# KiCad board vcu.kicad_pcb (continued)
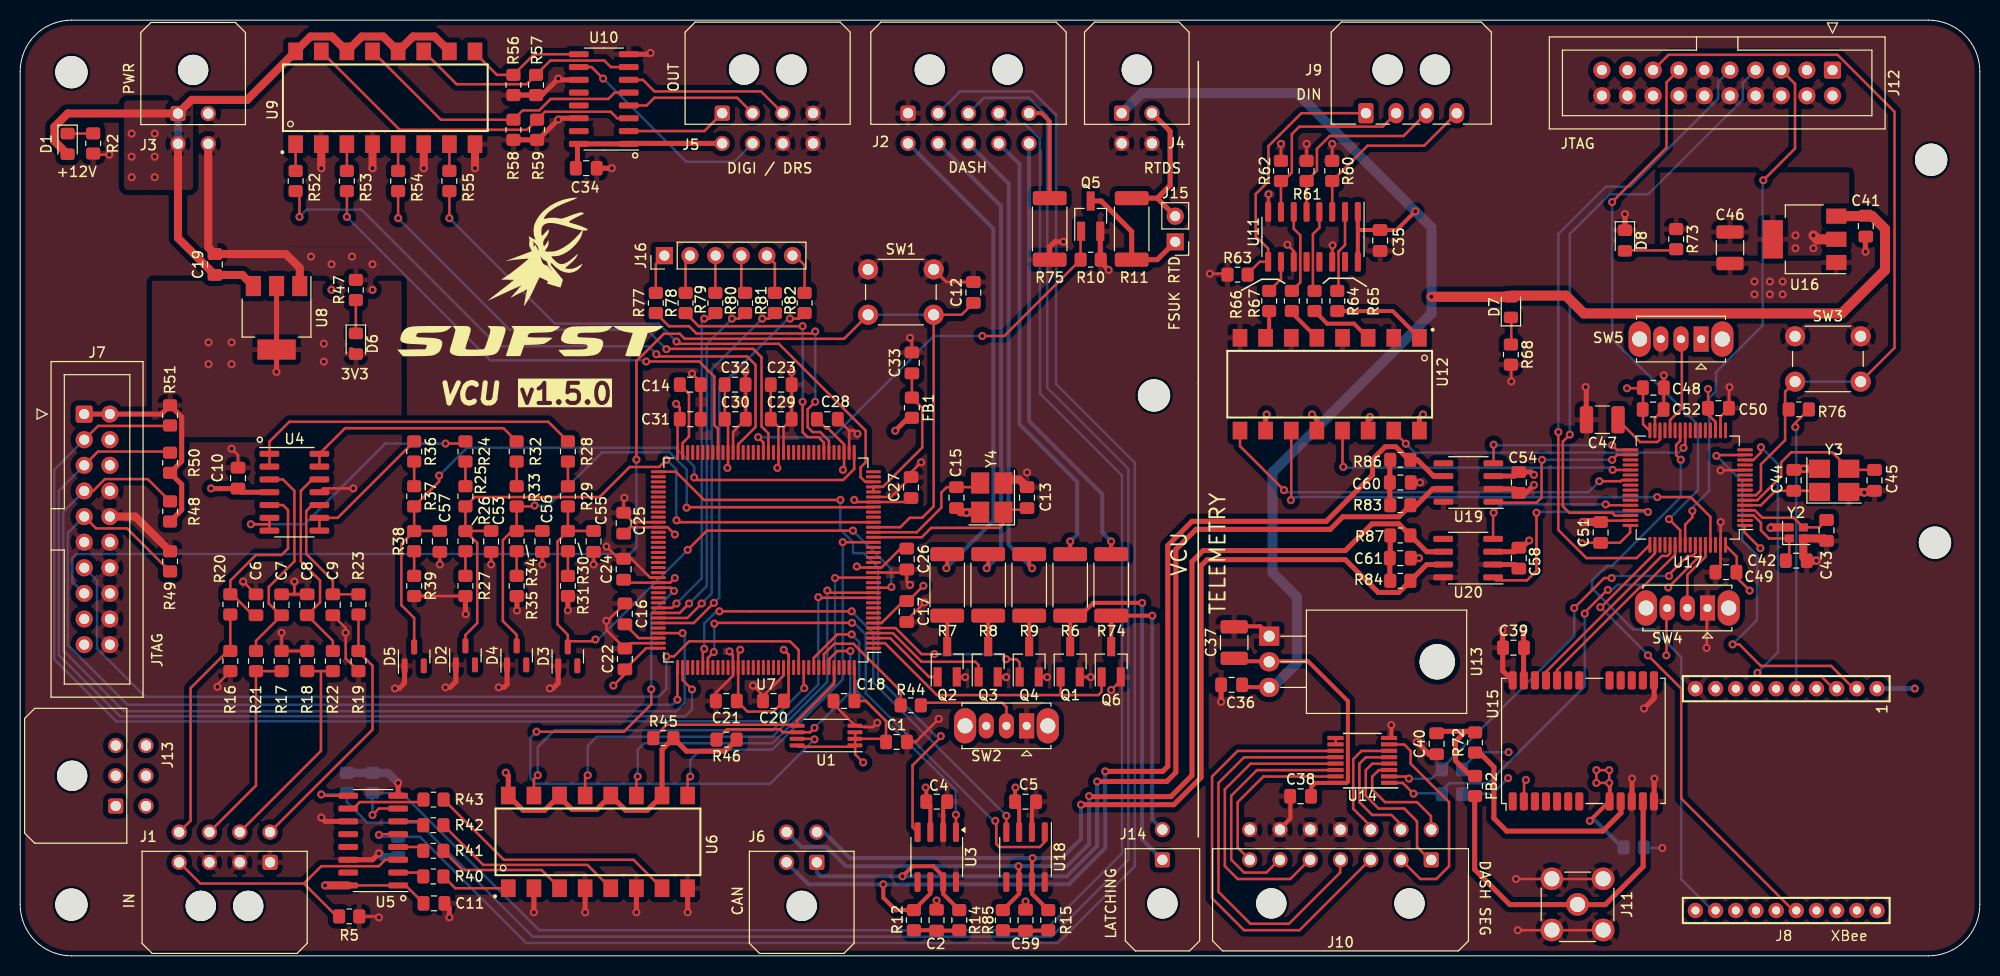
[diagram p0: board, top side]
## Routing (per net, layer and track width the routed paths; a pad name or vN(x,y) marks a point on that pad's centre or on a via; arc(x,y) is an arc through that point) (continued)
/IMD_LED: length 44.1
  Top w0.4: R74.1 v1(108.15,41.1)
  Bottom w0.4: v1(108.15,41.1) 107.26,41.99 107.26,45.8 100.01,53.05 J2.10
/Input Shift/APPS_1_OUT: length 67.4
  Top w0.25: R38.1 R37.2 41.53,47.04 v1(41.53,47.62) ; R38.1 37.79,40.85 37.79,34.77 39.06,33.5 39.06,31.19 ; R38.1 39.07,42.13 C57.2 ; v1(66.81,47.44) 67.06,47.19 81.58,47.19 82.67,48.28 U7.37
  Bottom w0.25: v1(66.81,47.44) 66.81,48.52 64.95,50.38 44.28,50.38 v1(41.53,47.62)
/Input Shift/APPS_2_OUT: length 59
  Top w0.25: 49.22,44.67 49.22,42.23 ; 48.85,42.23 47.85,41.23 47.85,33.2 49.22,31.83 49.22,31.3 ; C56.2 49.23,42.13 R34.1 ; R33.2 50.91,44.57 v1(51,44.65) ; v1(66.06,44.44) 66.11,44.49 84.56,44.49 U7.29
  Bottom w0.25: v1(66.06,44.44) 66.06,48.24 64.37,49.93 57.68,49.93 52.4,44.65 v1(51,44.65)
/Input Shift/BPS_OUT: length 64.4
  Top w0.25: R26.1 44.15,42.13 C53.2 ; v1(64.06,49.19) 63.35,48.48 60.42,48.48 57.43,45.49 45.06,45.49 R25.2 ; U7.26 65.24,43 v1(65.06,43.19) ; 44.14,44.32 44.14,42.12 45.31,40.95 45.31,32.99 44.14,31.82 44.14,31.3
  Bottom w0.25: v1(64.06,49.19) 65.06,48.19 v1(65.06,43.19)
/Input Shift/DOUT_1: length 49.5
  Top w0.25: v1(79.12,35.56) 79.18,35.5 U7.11 ; v1(51.31,17.91) 50.92,17.52 U6.15
  Bottom w0.25: v1(79.12,35.56) 79.12,26.91 74.56,22.35 52.96,22.35 51.31,20.7 v1(51.31,17.91)
/Input Shift/DOUT_2: length 45.1
  Top w0.25: U6.13 56,17.65 v1(56.26,17.91) ; v1(80.01,36.23) 80.23,36 U7.12
  Bottom w0.25: v1(56.26,17.91) 56.26,20.83 57.15,21.72 74.56,21.72 80.01,27.17 v1(80.01,36.23)
/Input Shift/DOUT_3: length 41
  Top w0.25: v1(80.77,37.47) 80.81,37.5 U7.15 ; v1(61.21,17.78) 61.08,17.65 U6.11
  Bottom w0.25: v1(80.77,37.47) 80.77,27.29 74.56,21.08 61.85,21.08 61.21,20.45 v1(61.21,17.78)
/Input Shift/DOUT_4: length 38.7
  Top w0.25: U7.22 84.56,41.02 v1(81.53,41.02) ; v1(66.42,17.78) 66.16,17.52 U6.9
  Bottom w0.25: v1(66.42,17.78) 66.42,19.43 67.44,20.45 74.56,20.45 81.53,27.42 v1(81.53,41.02)
/Input Shift/SAGL_OUT: length 58.6
  Top w0.25: v1(57.02,31.37) 56.85,31.19 54.28,31.19 54.28,31.85 53.27,32.86 53.27,41.1 R30.1 ; v1(66.17,40.26) 68.07,42.16 v1(82.55,42.16) ; v1(86.36,36.58) 86.29,36.5 U7.13 ; R30.1 54.31,42.13 C55.2 ; R30.1 R29.2
  Bottom w0.25: v1(86.36,36.58) 86.36,38.35 v1(82.55,42.16) ; v1(66.17,40.26) 57.28,31.37 v1(57.02,31.37)
/LVS_LED: length 10
  Top w0.4: J2.5 101.24,83.56 102.05,82.75 R75.1
/Output Level Shifting/DIN_1: length 64
  Top w0.25: v1(63.06,59.66) 63.28,59.44 72.06,59.44 72.9,58.6 72.9,52.45 71.17,50.72 U7.60 ; v1(27.69,73.28) 27.69,75.45 R52.1
  Bottom w0.25: v1(63.06,59.66) 62.27,60.45 47.37,60.45 33.82,74 28.41,74 v1(27.69,73.28)
/Output Level Shifting/DIN_2: length 53.2
  Top w0.25: U7.64 69.17,52.26 68.81,52.62 68.81,57.44 67.31,58.94 v1(62.06,58.94) ; v1(32.38,73.28) R53.1
  Bottom w0.25: v1(62.06,58.94) 61.94,59.05 46.61,59.05 v1(32.38,73.28)
/Output Level Shifting/DIN_3: length 54.2
  Top w0.25: R54.1 v1(37.47,73.15) ; U7.54 74.17,49.92 74.17,51.82 73.82,52.16 73.82,52.16 73.49,52.49 73.49,59.36 72.65,60.19 64.08,60.19 v1(64.06,60.16)
  Bottom w0.25: v1(37.47,73.15) 48.51,62.1 62.12,62.1 v1(64.06,60.16)
/Output Level Shifting/DIN_4: length 59
  Top w0.25: R55.1 v1(42.55,73.15) ; U7.34 83.78,47 83.31,47.47 83.31,48.44 83.81,48.94 83.81,52.08 75.2,60.69 65.28,60.69 v1(65.06,60.91)
  Bottom w0.25: v1(42.55,73.15) 53.01,62.69 63.28,62.69 v1(65.06,60.91)
/R2D_BTN: length 175.7
  Top w0.25: v1(35.56,12) 35.63,12.06 U5.5
  Bottom w0.25: J2.2 93.17,85.72 100.35,85.72 102.69,83.39 102.69,56.7 110.49,48.89 110.49,8.89 102.87,1.27 50.16,1.27 39.64,11.79 R1.1 35.76,11.79 v1(35.56,12)
/R2D_LED: length 46.2
  Top w0.4: R9.1 100.02,38.73 v1(100.31,38.44)
  Bottom w0.4: J2.8 97.99,76.58 97.99,40.76 v1(100.31,38.44)
/R2D_LED_ON: length 17.3
  Top w0.25: U7.5 86.77,32.5 89.35,29.92 v1(90.62,29.92) ; v1(97.73,29.41) 98.75,29.41 99.07,29.09 Q4.1
  Bottom w0.25: v1(97.73,29.41) 97.23,29.92 v1(90.62,29.92)
/R2D_SIREN_ON: length 43.8
  Top w0.25: U7.55 73.67,50.92 v1(73.15,51.44) ; Q5.1 105.12,71.81 R10.2 97.55,61.47 v1(95.38,61.47)
  Bottom w0.25: v1(95.38,61.47) 90.55,61.47 80.52,51.44 v1(73.15,51.44)
/RTDS-: length 14.8
  Top w0.5: 112.71,75.14 R11.2 ; 112.71,75.14 J15.2 ; 112.71,75.14 113.99,76.41 113.99,81.76 J4.2
/SAGL_IN: length 20.4
  Top w0.25: R17.1 R21.1 23.37,16.88 J1.7
/SHDN_STATE: length 28
  Top w0.25: J1.4 17.87,7.17 28.12,7.17 ; 28.12,7.17 29.84,8.89 35.56,8.89 36.19,9.53 37.33,9.53 ; 28.12,7.17 31.38,3.91
/STATUS: length 10
  Top w0.25: J5.1 67.82,81.79 U10.2
/STM32-F746ZG/BOOT0: length 12.7
  Top w0.25: U7.138 79.67,29.91 80.71,30.95 82.6,30.95 87.28,26.27 R44.2
/STM32-F746ZG/CAN1_RX: length 47.8
  Top w0.25: v1(67.81,30.44) 67.67,30.3 U7.114 ; v1(97.76,13.89) 97.76,12.27 U18.4 ; v1(69.31,34.16) v1(82.42,34.16)
  Bottom w0.25: v1(97.76,13.89) 90.88,20.76 84.58,27.07 84.58,32 v1(82.42,34.16) ; v1(67.81,30.44) 67.81,32.96 69.01,34.16 v1(69.31,34.16)
/STM32-F746ZG/CAN1_TX: length 52.5
  Top w0.25: v1(68.81,32.94) 68.89,33.02 v1(82.46,33.02) ; U7.115 68.17,29.54 v1(68.76,30.12) ; v1(96.66,13.39) 96.76,13.29 96.76,11.09 97.06,10.79 101.06,10.79 101.56,11.29 U18.1
  Bottom w0.25: v1(96.66,13.39) 96.47,13.39 83.82,26.03 83.82,31.88 82.68,33.02 v1(82.46,33.02) ; v1(68.81,32.94) 68.81,30.17 v1(68.76,30.12)
/STM32-F746ZG/CAN2_RX: length 58.6
  Top w0.25: U7.73 64.99,48 67.79,45.21 v1(81.31,45.21) ; U3.4 88.46,12.76 88.46,18.89 91.26,21.69 v1(91.26,21.79)
  Bottom w0.25: v1(81.31,45.21) 81.31,42.27 82.56,41.02 82.56,39.94 83.64,39.94 85.03,38.55 85.03,27.52 90.76,21.79 v1(91.26,21.79)
/STM32-F746ZG/CAN2_TX: length 29.8
  Top w0.25: v1(82.42,31.88) 81,31.88 78.67,29.55 U7.136 ; v1(92.76,13.99) 92.76,12.27 U3.1
  Bottom w0.25: v1(82.42,31.88) 83.19,31.11 83.19,27.43 82.93,27.18 82.93,26.17 82.98,26.17 92.76,16.39 v1(92.76,13.99)
/STM32-F746ZG/NRST: length 140.9
  Top w0.25: U7.25 87.25,42.5 88.18,43.44 89.41,43.44 90.55,44.58 SW1.2 93.31,63.57 C12.1 ; SW1.2 81.67,61.19 65.87,61.19 65.37,61.69 63.81,61.69 61.78,59.66 61.76,59.66 61.09,58.99 v1(61.09,49.2)
  Bottom w0.25: J7.15 5.17,37.12 5.17,39.47 5.56,39.85 60.42,39.85 61.09,40.51 v1(61.09,49.2) ; SW1.2 SW1.2
/STM32-F746ZG/PWR_LED_K: length 3.3
  Top w0.25: R47.1 D6.1
/STM32-F746ZG/SW_BOOT0: length 10.6
  Top w0.25: SW2.2 97.77,24.66 97.33,25.1 89.53,25.1 R44.1
/STM32-F746ZG/TCK/SWDCLK: length 90.5
  Top w0.25: R49.2 10.59,42.39 7.52,42.39 J7.9 ; U7.109 65.15,28.57 v1(65.15,25.4)
  Bottom w0.25: J7.9 4.72,41.94 4.72,30.82 10.66,24.89 64.64,24.89 v1(65.15,25.4)
/STM32-F746ZG/TDI: length 99.1
  Top w0.25: U7.110 65.67,27.35 v1(66.6,26.42) ; R50.1 14.75,50.01 7.71,50.01 J7.5
  Bottom w0.25: J7.5 3.82,46.12 3.82,29.83 9.91,23.75 65.91,23.75 66.6,24.44 v1(66.6,26.42)
/STM32-F746ZG/TDO/SWO: length 86.3
  Top w0.25: U7.133 77.17,30.33 76.31,31.19 66.31,31.19 64.81,29.69 v1(64.06,29.69)
  Bottom w0.25: J7.13 7.62,37.21 7.62,30.47 12.4,25.69 63.28,25.69 64.06,26.47 v1(64.06,29.69)
/STM32-F746ZG/TMS/SWDIO: length 100.4
  Top w0.25: J7.7 7.23,46.1 8.4,47.28 12.65,47.28 R48.1 ; v1(65.66,32) U7.105
  Bottom w0.25: J7.7 4.27,44.03 4.27,30.27 10.29,24.26 65.03,24.26 65.88,25.1 65.88,31.79 v1(65.66,32)
/STM32-F746ZG/TRST: length 112.5
  Top w0.25: v1(77.72,26.54) 77.67,26.6 U7.134 ; J7.3 7.71,52.55 14.81,52.55 R51.1
  Bottom w0.25: v1(77.72,26.54) 74.42,23.24 9.52,23.24 3.38,29.39 3.38,48.21 J7.3
/Telemetry/CAN1_RX: length 16.6
  Top w0.25: v1(157.17,44.77) 157.26,44.68 U17.44 ; v1(146.06,43.94) 146.01,43.89 U20.4
  Bottom w0.25: v1(146.06,43.94) 146.89,44.77 v1(157.17,44.77)
/Telemetry/CAN1_TX: length 23.5
  Top w0.25: U20.1 146.31,37.23 149.35,37.23 150.31,38.19 v1(150.31,43.94) ; U17.45 161.2,44.18 v1(161.36,44.02)
  Bottom w0.25: v1(161.36,44.02) 150.39,44.02 v1(150.31,43.94)
/Telemetry/CAN2_RX: length 15.6
  Top w0.25: v1(157.81,50.64) 158.26,50.18 U17.33 ; U19.4 146.06,48.87 v1(146.06,50.69)
  Bottom w0.25: v1(157.81,50.64) 146.11,50.64 v1(146.06,50.69)
/Telemetry/CAN2_TX: length 17.8
  Top w0.25: U19.1 146.13,44.94 150.31,44.94 150.81,45.44 150.81,49.14 v1(150.86,49.19) ; U17.34 158.3,49.68 v1(157.81,49.19)
  Bottom w0.25: v1(150.86,49.19) v1(157.81,49.19)
/Telemetry/GPS/GPS_RX: length 19.8
  Top w0.25: U15.21 151.25,28.17 162.74,39.66 163.29,39.66 163.55,39.92 U17.53 ; 151.28,27.26 151.28,28.19
/Telemetry/GPS/GPS_TX: length 18.4
  Top w0.25: U17.54 164.05,39.78 160.84,36.57 160.57,36.57 152.35,28.35 U15.20
/Telemetry/SEG0: length 15.7
  Top w0.25: 139.85,9.57 139.69,9.57 138.47,10.79 138.47,13.34 137.2,14.61 134.66,14.61 133.39,15.88 133.39,18.42 134.02,19.05 135.72,19.05
/Telemetry/SEG1: length 12.5
  Top w0.25: 136.85,12.57 136.85,13.05 135.93,13.97 134.02,13.97 132.75,15.24 132.75,19.05 133.39,19.69 135.72,19.69
/Telemetry/SEG2: length 11.6
  Top w0.25: 135.72,20.32 132.96,20.32 132.14,19.5 132.14,14.58 133.85,12.88 133.85,12.57
/Telemetry/SEG3: length 21.5
  Top w0.25: 135.72,20.95 137.2,20.95 137.83,20.32 137.83,19.05 141.64,15.24 141.64,8.89 140.37,7.62 138.8,7.62 136.85,9.57
/Telemetry/SEG4: length 45.3
  Top w0.25: 130.41,20.32 120.69,20.32 118.15,17.78 118.15,5.72 121.32,2.54 126.82,2.54 133.85,9.57
/Telemetry/SEG5: length 40.3
  Top w0.25: 130.41,19.69 121.32,19.69 118.78,17.14 118.78,6.35 121.96,3.18 125.77,3.18 130.85,8.25 130.85,9.57
/Telemetry/SEG6: length 29.4
  Top w0.25: 127.85,9.57 125.9,7.62 120.69,7.62 119.42,8.89 119.42,16.51 121.96,19.05 130.41,19.05
/Telemetry/SEG7: length 23.6
  Top w0.25: 130.41,18.42 122.59,18.42 120.05,15.88 120.05,9.53 121.32,8.25 123.53,8.25 124.85,9.57
/Telemetry/SEG8: length 16.9
  Top w0.25: 121.85,9.57 120.69,10.73 120.69,15.24 123.23,17.78 130.41,17.78
/Telemetry/SEG9: length 11.4
  Top w0.25: 135.72,18.42 134.67,18.42 134.04,17.78 134.02,17.78 134.02,16.51 135.29,15.24 138.47,15.24 139.85,13.86 139.85,12.57
/Telemetry/telemetry input shift/DIN_1: length 18.2
  Top w0.25: U11.3 R60.2 133.56,80.34 139.17,80.34 J9.4
/Telemetry/telemetry input shift/DIN_2: length 19
  Top w0.25: U11.5 R61.2 128.54,77.86 128.54,80.03 129.81,81.3 137.13,81.3 J9.3
/Telemetry/telemetry input shift/DIN_3: length 19.5
  Top w0.25: J9.2 135.06,82.23 126.8,82.23 126.06,81.48 126.06,77.69 125.21,76.84 R62.2 U11.7
/Telemetry/telemetry input shift/DIN_4: length 26
  Top w0.25: J9.1 127,83.56 123.74,80.31 123.74,76.81 122.47,75.54 122.47,71.37 123.71,70.14 U11.9 122.87,68.82 121.69,67.65
/Telemetry/telemetry input shift/DOUT_1: length 31.7
  Top w0.25: U17.25 165.05,50.54 v1(164.88,50.37) ; U12.15 136.16,51.99 v1(137.36,50.79)
  Bottom w0.25: v1(164.88,50.37) 164.42,49.91 138.24,49.91 v1(137.36,50.79)
/Telemetry/telemetry input shift/DOUT_2: length 32.2
  Top w0.25: v1(131.16,48.49) 131.08,48.57 U12.13 ; v1(157.86,48.19) 157.86,48.18 U17.37
  Bottom w0.25: v1(131.16,48.49) 131.23,48.42 157.62,48.42 v1(157.86,48.19)
/Telemetry/telemetry input shift/DOUT_3: length 52.2
  Top w0.25: U17.61 167.55,43.53 165.59,45.49 v1(162.28,45.49) ; v1(125.96,45.19) 126,45.23 U12.11
  Bottom w0.25: v1(125.96,45.19) 126.26,45.49 v1(162.28,45.49)
/Telemetry/telemetry input shift/DOUT_4: length 42.6
  Top w0.25: v1(156.54,47.07) 158.67,47.07 158.78,47.18 U17.39 ; U12.9 120.92,50.54 v1(125.27,46.19)
  Bottom w0.25: v1(156.54,47.07) 155.44,45.97 125.49,45.97 v1(125.27,46.19)
/Telemetry/telemetrymcu/BOOT0: length 7
  Top w0.25: SW4.2 165.26,37.78 167.05,39.57 U17.60
/Telemetry/telemetrymcu/BOOT1: length 8.8
  Top w0.25: 164.71,60.39 164.71,54.3 163.55,53.13 U17.28
/Telemetry/telemetrymcu/I2C1_SCL: length 42.2
  Top w0.25: U17.58 166.05,39.92 165.79,39.66 165.29,39.66 163.44,37.81 v1(163.44,37.67) ; v1(157.75,37.47) 157.02,37.47 v1(154.05,34.49) ; 135.72,17.78 137.46,17.78 v1(137.66,17.58)
  Bottom w0.25: v1(137.66,17.58) 139.91,17.58 154.05,31.71 v1(154.05,34.49) ; v1(163.44,37.67) 157.96,37.67 v1(157.75,37.47)
/Telemetry/telemetrymcu/I2C1_SDA: length 46.6
  Top w0.25: v1(155.09,33.93) 155.06,33.96 155.06,34.03 157.32,36.29 v1(157.38,36.29) ; v1(163.37,36.53) 166.55,39.71 U17.59 ; 135.72,17.14 137.05,17.14 v1(138.12,16.08)
  Bottom w0.25: v1(138.12,16.08) 138.15,16.1 140.66,16.1 141.69,17.13 145.5,17.13 155.09,26.71 v1(155.09,33.93) ; v1(157.38,36.29) 157.82,36.29 158.31,36.78 163.11,36.78 v1(163.37,36.53)
/Telemetry/telemetrymcu/OSC_IN: length 8
  Top w0.25: Y3.1 178.25,46.11 173.98,46.11 172.55,44.68 U17.5
/Telemetry/telemetrymcu/OSC_OUT: length 16.3
  Top w0.25: C45.2 181.37,48.19 Y3.3 179.62,49.94 175.56,49.94 174.56,48.94 174.56,47.54 172.19,45.18 U17.6
/Telemetry/telemetrymcu/PWR_LED: length 5
  Top w0.25: 164.06,69.96 159.11,69.96
/Telemetry/XBee Module/DIN/`CONFIG/DIO14: length 34.6
  Top w0.25: v1(172.21,28.07) 172.54,27.74 178.52,27.74 179.74,26.52 ; v1(172.56,50.44) 172.56,49.92 171.79,49.16 170.94,49.16
  Bottom w0.25: v1(172.21,28.07) 174.25,30.11 174.25,39.31 174.24,39.33 174.24,48.76 v1(172.56,50.44)
/Telemetry/XBee Module/DOUT/DIO13: length 38
  Top w0.25: v1(169.74,30.89) 170.41,30.89 172.55,28.75 179.51,28.75 181.74,26.52 ; 170.94,49.66 168.22,49.66 v1(168.14,49.58)
  Bottom w0.25: v1(168.14,49.58) 170.72,47.01 170.72,41.18 172.17,39.73 172.17,33.31 v1(169.74,30.89)
/Telemetry/XBee Module/~CTS: length 58
  Top w0.25: U17.26 164.55,51.06 164.15,50.67 164.15,49.66 v1(164.61,49.2)
  Bottom w0.25: 167.74,4.52 164.65,7.61 164.65,29.63 161.92,32.37 159.88,32.37 155.81,36.44 155.81,37.19 157.27,38.66 157.77,38.66 164.61,45.5 v1(164.61,49.2)
/Telemetry/XBee Module/~RESET: length 28.3
  Top w0.25: v1(175.97,52.44) 175.97,52.85 R76.2
  Bottom w0.25: v1(175.97,52.44) 176.06,52.34 J8.5
/Telemetry/XBee Module/~RTS: length 46.5
  Top w0.25: U17.50 162.05,39.92 156.71,34.57 v1(156.63,34.57) ; 175.74,4.52 164.65,15.61 164.65,26.5 v1(161.36,29.79)
  Bottom w0.25: v1(156.63,34.57) 161.18,30.02 161.18,29.67
/TS_ON: length 16.6
  Top w0.25: U10.6 61.72,86.87 62.86,85.72 73.43,85.72 J5.3
/TS_ON_BTN: length 167.4
  Top w0.25: v1(34.92,13.97) 35.56,14.61 U5.7
  Bottom w0.25: J2.4 98.08,82.49 99.6,82.49 101.08,81.01 101.08,55.76 109.22,47.62 109.22,10.16 101.6,2.54 51.44,2.54 37.83,16.14 R4.1 v1(34.92,13.97)
/TS_ON_LED: length 46.7
  Top w0.4: v1(95.81,38.44) 95.96,38.59 R8.1
  Bottom w0.4: v1(95.81,38.44) 97.23,39.86 97.23,74.35 J2.7
/TS_ON_LED_ON: length 12.9
  Top w0.25: U7.4 86.51,32 89.35,29.16 94.69,29.16 95.01,28.84 Q3.1
/VC_LEDS_ON: length 28.2
  Top w0.25: Q6.1 107.2,26.18 106.88,25.86 103.13,25.86 ; U7.2 85.73,31 90.88,25.86 103.13,25.86 ; 103.13,25.86 Q1.1
JTDI: length 52.2
  Top w0.25: v1(165.76,44.12) 165.76,43.48 165.05,42.77 U17.56 ; v1(172.79,76.91) 175.93,80.05 175.93,86.47 J12.5
  Bottom w0.25: v1(172.79,76.91) 172.71,76.83 172.71,62.48 168.09,57.86 168.09,55.97 167.42,55.3 167.42,46.12 165.76,44.46 v1(165.76,44.12)
JTDO: length 55
  Top w0.25: U17.55 164.55,42.2 v1(163.44,43.31) ; v1(157.81,74.75) 163.2,80.15 163.2,86.62 J12.13
  Bottom w0.25: v1(163.44,43.31) 166.31,46.18 166.31,52.65 157.81,61.16 v1(157.81,74.75)
NRST: length 75.5
  Top w0.25: SW3.2 174.95,55.95 174.95,51.14 172.56,48.75 172.56,46.18 172.06,45.68 U17.7 ; J12.15 163.39,89.35 180.15,89.35 185.8,83.7 185.8,60.29 SW3.2
  Bottom w0.25: 182.45,56.94 175.95,56.94
SWDCLK: length 64.8
  Top w0.25: v1(152.47,51.94) 152.47,42.23 155.26,39.45 160.24,39.45 U17.49
  Bottom w0.25: J12.9 168.31,86.66 168.31,85 159.59,76.28 157.17,76.28 152.47,71.58 v1(152.47,51.94)
SWDIO: length 60.5
  Top w0.25: v1(153.61,51.69) 152.92,51 152.92,44.58 153.56,43.94 157.8,43.94 158.08,43.66 159.59,43.66
  Bottom w0.25: J12.7 170.76,86.56 170.76,84.9 161.37,75.51 157.54,75.51 153.61,71.59 v1(153.61,51.69)
Net-(C2-Pad1): length 4.5
  Top w0.4: R12.2 90.8,2.54 C2.1 93.05,2.5 R14.1
Net-(C40-Pad2): length 10.7
  Top w0.5: 144.18,17.81 143.82,17.81 142.28,19.36 142.28,21.26 143.28,22.26 144.18,22.26 140.64,22.26 140.37,21.99
Net-(C59-Pad1): length 4.5
  Top w0.4: R85.2 99.62,2.54 C59.1 101.87,2.5 R15.1
Net-(C60-Pad1): length 4.5
  Top w0.5: R86.2 135.77,49.15 C60.1 135.77,44.73 R83.1
Net-(C61-Pad1): length 4.5
  Top w0.5: R84.1 135.77,37.23 C61.1 135.81,39.48 R87.2
Net-(D1-K): length 2.5
  Top w0.25: D1.1 7.22,81.54
Net-(D7-K): length 3.1
  Top w0.25: 147.81,63.55 147.81,60.5
Net-(J11-In): length 33.4
  Top w0.5: 144.18,15.81 144.18,8.56 147.66,5.08 157.12,5.08 160.88,8.84 160.88,15.26
Net-(J14-Pin_1): length 37
  Top w0.25: 105.1,33.73 R6.2
  Top w0.4: v1(111.21,35) 106.37,35 105.1,33.73 ; R6.2 Q1.3
  Bottom w0.4: J14.1 111.21,11.53 v1(111.21,35)
Net-(J14-Pin_2): length 28.8
  Top w0.4: v1(112.22,33.73) R74.2 Q6.3
  Bottom w0.4: J14.2 112.22,13.53 v1(112.22,33.73)
Net-(J15-Pin_1): length 13.2
  Top w0.5: Q5.3 107.16,74.86 110.18,71.83 R11.1 112.72,69.04 114.49,70.81 J15.1
Net-(J16-Pin_1): length 4.1
  Top w0.25: J16.1 63.01,68.59 R77.2
Net-(J16-Pin_2): length 3.9
  Top w0.25: R78.2 65.96,69 J16.2
Net-(J16-Pin_3): length 3.7
  Top w0.25: R79.2 68.91,69.41 J16.3
Net-(J16-Pin_4): length 3.9
  Top w0.25: J16.4 71.48,66.12 R80.2
Net-(J16-Pin_5): length 4
  Top w0.25: R81.2 74.81,68.65 J16.5
Net-(J16-Pin_6): length 4.3
  Top w0.25: J16.6 76.81,69.44 77.76,68.49 R82.2
Net-(Q2-D): length 3.1
  Top w0.4: Q2.3 R7.2
Net-(Q3-D): length 3.1
  Top w0.4: Q3.3 R8.2
Net-(Q4-D): length 3.1
  Top w0.4: R9.2 Q4.3
Net-(R24-Pad2): length 2.4
  Top w0.25: 44.14,48.76 44.14,46.32
Net-(R26-Pad2): length 2.4
  Top w0.25: 44.14,39.87 44.14,37.43
Net-(R28-Pad2): length 2.4
  Top w0.25: R28.2 R29.1
Net-(R30-Pad2): length 2.4
  Top w0.25: R30.2 R31.1
Net-(R32-Pad2): length 2.4
  Top w0.25: 49.22,49.12 49.22,46.67
Net-(R34-Pad2): length 2.4
  Top w0.25: 49.22,40.23 49.22,37.78
Net-(R36-Pad2): length 2.4
  Top w0.25: R36.2 R37.1
Net-(R38-Pad2): length 2.4
  Top w0.25: R38.2 R39.1
Net-(R40-Pad2): length 6.9
  Top w0.25: U6.1 43.13,6.7 R40.2
Net-(R41-Pad2): length 13
  Top w0.25: R41.2 43.86,8.51 51.69,8.51 53.46,6.73
Net-(R42-Pad2): length 19.2
  Top w0.25: R42.2 45.89,9.02 56.23,9.02 U6.5
Net-(R43-Pad2): length 25.3
  Top w0.25: U6.7 60.8,9.53 47.94,9.53 R43.2
Net-(R52-Pad2): length 2.7
  Top w0.25: R52.2 U9.1
Net-(R53-Pad2): length 2.7
  Top w0.25: R53.2 U9.3
Net-(R54-Pad2): length 2.7
  Top w0.25: R54.2 U9.5
Net-(R55-Pad2): length 2.7
  Top w0.25: R55.2 U9.7
Net-(R64-Pad2): length 9.2
  Top w0.4: U12.1 136.05,63.94 R64.2
Net-(R65-Pad2): length 6.4
  Top w0.4: R65.2 129.56,62.69 132.22,62.69 U12.3
Net-(R66-Pad2): length 3.7
  Top w0.4: U12.5 126.06,63.77 R66.2
Net-(R67-Pad2): length 2.8
  Top w0.4: R67.2 123.81,61.64 U12.7
Net-(U4A-+): length 21.4
  Top w0.25: 25.91,34.04 25.54,34.04 24.64,34.94 24.64,36.58 27.18,39.12 27.18,46.11 26.05,47.24 U4.3 ; C7.2 23.37,31.24 R21.2
Net-(U4A--): length 33.7
  Top w0.25: R28.1 52.35,52.96 26.68,52.96 24.71,50.99 U4.1 U4.2
Net-(U4B-+): length 17.3
  Top w0.25: U4.5 26.05,44.7 26.55,44.2 26.55,40.39 25.91,39.76 23.37,39.76 20.83,37.22 R20.2 21.01,35.85 22.91,33.96 22.91,33.78
Net-(U4B--): length 27.5
  Top w0.25: U4.7 24.71,42.86 ; 24.71,42.86 24.65,42.8 v1(22.87,42.8) ; 24.71,42.86 U4.6 ; v1(42.17,50.8) 43.92,50.8
  Bottom w0.25: v1(22.87,42.8) 28.19,42.8 36.19,50.8 v1(42.17,50.8)
Net-(U4C-+): length 13.1
  Top w0.25: R23.2 C9.2 30.99,37.22 28.36,39.85 28.36,44.11 28.95,44.7 29.28,44.7
Net-(U4C--): length 13.8
  Top w0.25: U4.8 U4.9 31.48,43.43 R36.1
Net-(U4D-+): length 19.9
  Top w0.25: R22.2 30.99,31.24 C8.2 29.72,35.05 29.72,37.22 27.82,39.12 27.82,46.11 28.96,47.24
Net-(U4D--): length 22.4
  Top w0.25: U4.13 U4.14 32.2,52.32 47.91,52.32 R32.1
Net-(U5-Aout): length 2.2
  Top w0.25: 37.33,8.25 39.58,8.25
Net-(U5-Bout): length 2.2
  Top w0.25: 37.33,10.79 39.58,10.79
Net-(U5-Cout): length 2.2
  Top w0.25: 39.58,13.34 37.33,13.34
Net-(U5-Dout): length 7
  Top w0.25: 33.02,14.61 33.66,15.25 39.73,15.25
Net-(U7-PA6): length 30.3
  Top w0.25: U7.42 80.17,51.08 79.31,51.94 78.56,51.94 78.06,52.44 78.06,54.19 v1(78.81,54.94) ; v1(78.81,61.91) 78.61,61.71 67.03,61.71 66.31,62.44 64.31,62.44 R77.1
  Bottom w0.25: v1(78.81,54.94) v1(78.81,61.91)
Net-(U7-PA7): length 26.2
  Top w0.25: v1(77.56,62.44) 67.26,62.44 R78.1 ; U7.43 79.67,50.9 79.13,51.44 78.06,51.44 77.56,51.94 v1(77.56,54.94)
  Bottom w0.25: v1(77.56,54.94) v1(77.56,62.44)
Net-(U7-PA8): length 32.7
  Top w0.25: R79.1 68.36,63.19 v1(67.81,63.19) ; U7.100 64.62,34.5 v1(65.06,34.94)
  Bottom w0.25: v1(67.81,63.19) 67.56,62.94 67.56,37.44 v1(65.06,34.94)
Net-(U7-PA9): length 35
  Top w0.25: U7.101 65.37,34 v1(66.31,34.94) ; R80.1 71.31,63.19 v1(70.56,63.19)
  Bottom w0.25: v1(70.56,63.19) 68.06,60.69 68.06,36.69 v1(66.31,34.94)
Net-(U7-PA10): length 37.1
  Top w0.25: v1(73.56,63.19) 74.26,63.19 R81.1 ; U7.102 66.12,33.5 v1(67.56,34.94)
  Bottom w0.25: v1(67.56,34.94) 68.56,35.94 68.56,58.19 v1(73.56,63.19)
Net-(U7-PA11): length 39.4
  Top w0.25: U7.103 66.77,33 v1(68.77,35) ; R82.1 77.21,63.19 v1(76.31,63.19)
  Bottom w0.25: v1(68.77,35) 69.31,35.55 69.31,56.37 76.13,63.19 v1(76.31,63.19)
Net-(U7-PH0): length 17.1
  Top w0.25: U7.23 89.37,41.5 90.31,42.44 97.06,42.44 97.46,42.84 Y4.1 97.71,44.24 99.65,44.24 C13.1
Net-(U7-PH1): length 13.5
  Top w0.25: U7.24 88.87,42 91.31,44.44 91.31,45.94 91.85,46.48 C15.1 94.75,46.48 Y4.3
Net-(U7-VCAP_1): length 7.4
  Top w0.25: U7.71 65.67,50.86 66.3,51.48 66.3,55.73 C14.2
Net-(U7-VCAP_2): length 3.9
  Top w0.25: U7.106 61.31,31.5 C16.2
Net-(U10-Ain): length 34.7
  Top w0.25: U10.3 59.18,83.06 58.54,83.7 52.02,83.7 R59.1 50.23,81.91 37.62,81.91 U9.15
Net-(U10-Bin): length 29.3
  Top w0.25: U9.13 41.7,82.91 R58.1 49.82,83.84 51.45,83.84 52.59,84.97 58.3,84.97 58.93,85.6 U10.5
Net-(U10-Cin): length 22.9
  Top w0.25: U9.11 43.26,86.44 50.21,86.44 R57.1 52.56,88.78 57.9,88.78 58.55,88.14 U10.7
Net-(U10-Din): length 12
  Top w0.25: U10.9 50.94,89.41 R56.1 47.26,87.36 45.08,89.53
Net-(U11-Aout): length 8.2
  Top w0.25: U11.2 131.33,70.49 130.68,69.85 130.68,66.06 R64.1
Net-(U11-Bout): length 8.2
  Top w0.25: R65.1 128.14,66.1 128.14,71.57 128.79,72.22 U11.4
Net-(U11-Cout): length 8.4
  Top w0.25: R66.1 126.89,66.77 126.89,71.45 126.25,72.1 U11.6
Net-(U11-Dout): length 3.4
  Top w0.25: R67.1 124.98,67.11 U11.10
Net-(U15-VCC_RF): length 22.6
  Top w0.5: 144.18,20.26 144.55,20.26 146.09,18.72 146.09,13.64 147.36,12.37 156.88,12.37 158.68,14.16 158.68,15.26
Net-(U17-PC14): length 8.1
  Top w0.25: U17.3 171.82,43.68 172.56,42.94 172.56,42.19 173.36,41.39 Y2.1 175.36,39.53 C42.2
Net-(U17-PC15): length 9.1
  Top w0.25: U17.4 171.95,44.18 172.69,43.44 175.81,43.44 Y2.3 178.32,42.49 C43.2
Net-(U17-VCAP_1): length 6.1
  Top w0.25: U17.30 162.55,51.22 162.29,50.95 160.57,50.95 158.36,53.16
unconnected-(U14-NC-Pad10): length 0.6
  Top w0.25: 130.41,20.95 130.41,21.59

## Copper pours and planes (outline as drawn; the poured copper is in the pictures)
+3.3V on Top: 13.06,66.94 13.06,51.44 37.81,51.44 37.81,66.94
+3.3V on In2.Cu: 117.29,-0.43 41.81,-0.56 42.04,15.35 18.56,15.24 18.56,43.44 34.56,43.44 34.56,56.94 18.56,56.94 18.56,70.69 117.31,70.69
+3.3VT on Top: 162.56,77.69 162.56,69.44 181.31,69.44 181.31,77.69
+3.3VT on In2.Cu: 117.81,93.44 194.56,93.44 194.81,-1.06 118.06,-1.06
+12V on Top: 10.29,84.58 10.54,84.84 16.89,84.84 17.14,84.58 17.14,76.2 16.89,75.95 10.54,75.95 10.29,76.2
+12V on In2.Cu: 116.84,71.25 17.65,71.14 17.65,56.13 33.53,56.13 33.53,44.45 17.65,44.45 17.65,14.35 41.15,14.35 41.15,-0.51 0,-0.51 0,93.34 116.84,93.47
GND on Top: 35.94,65.28 35.69,65.02 26.8,65.02 26.54,65.28 26.54,70.1 26.8,70.36 35.69,70.36 35.94,70.1
GND on Top, Bottom: 0.06,92.94 0.06,-0.06 194.31,-0.06 194.31,92.69
GND on In1.Cu: 194.73,92.96 194.73,-0.51 -0.09,-0.51 -0.09,92.84

## Text on the board
B.Silkscreen: NRST | JTDO | S.CLK | S.IO | JTDI | 12V | MOSI | ~{CTS} | ~{RESET} | DOUT | 3V3 | DIN4 | DIN3 | DIN2 | DIN1 | RX | GND | ~{RTS} | MISO | TRST | TDI | TDO/ | TMS/ | TCK/ | SHDN | TMS/SWDIO | TCK/SWDCLK | TDO/SWO | / on pin shows / Serial alternatives | CANC | CANS | L | H | 8 | 7 | 6 | 5 | 4 | 3 | 0 | IMD | BMS | 2 | 1 | 9 | DRS | TS | R2D | LVS | DIN | RTDS | BPS | SAGL | APPS2 | APPS1 | STATUS | BRAKE | 3.3V | RTD_BTN | DRS_BTN | TS_ON_BTN | LED | + | - | }
F.Silkscreen: +12V | 3V3 | JTAG | DIGI / DRS | DASH | RTDS | DIN | LATCHING | FSUK RTD | PWR | IN | OUT | CAN | DASH SEG | VCU | TELEMETRY | v1.5.0
User.1: Can't do much about / 12V crossing I2C line, / should be fine | Regulator tab is VCC !!
